# KiCad board EOutside.kicad_pcb (continued)
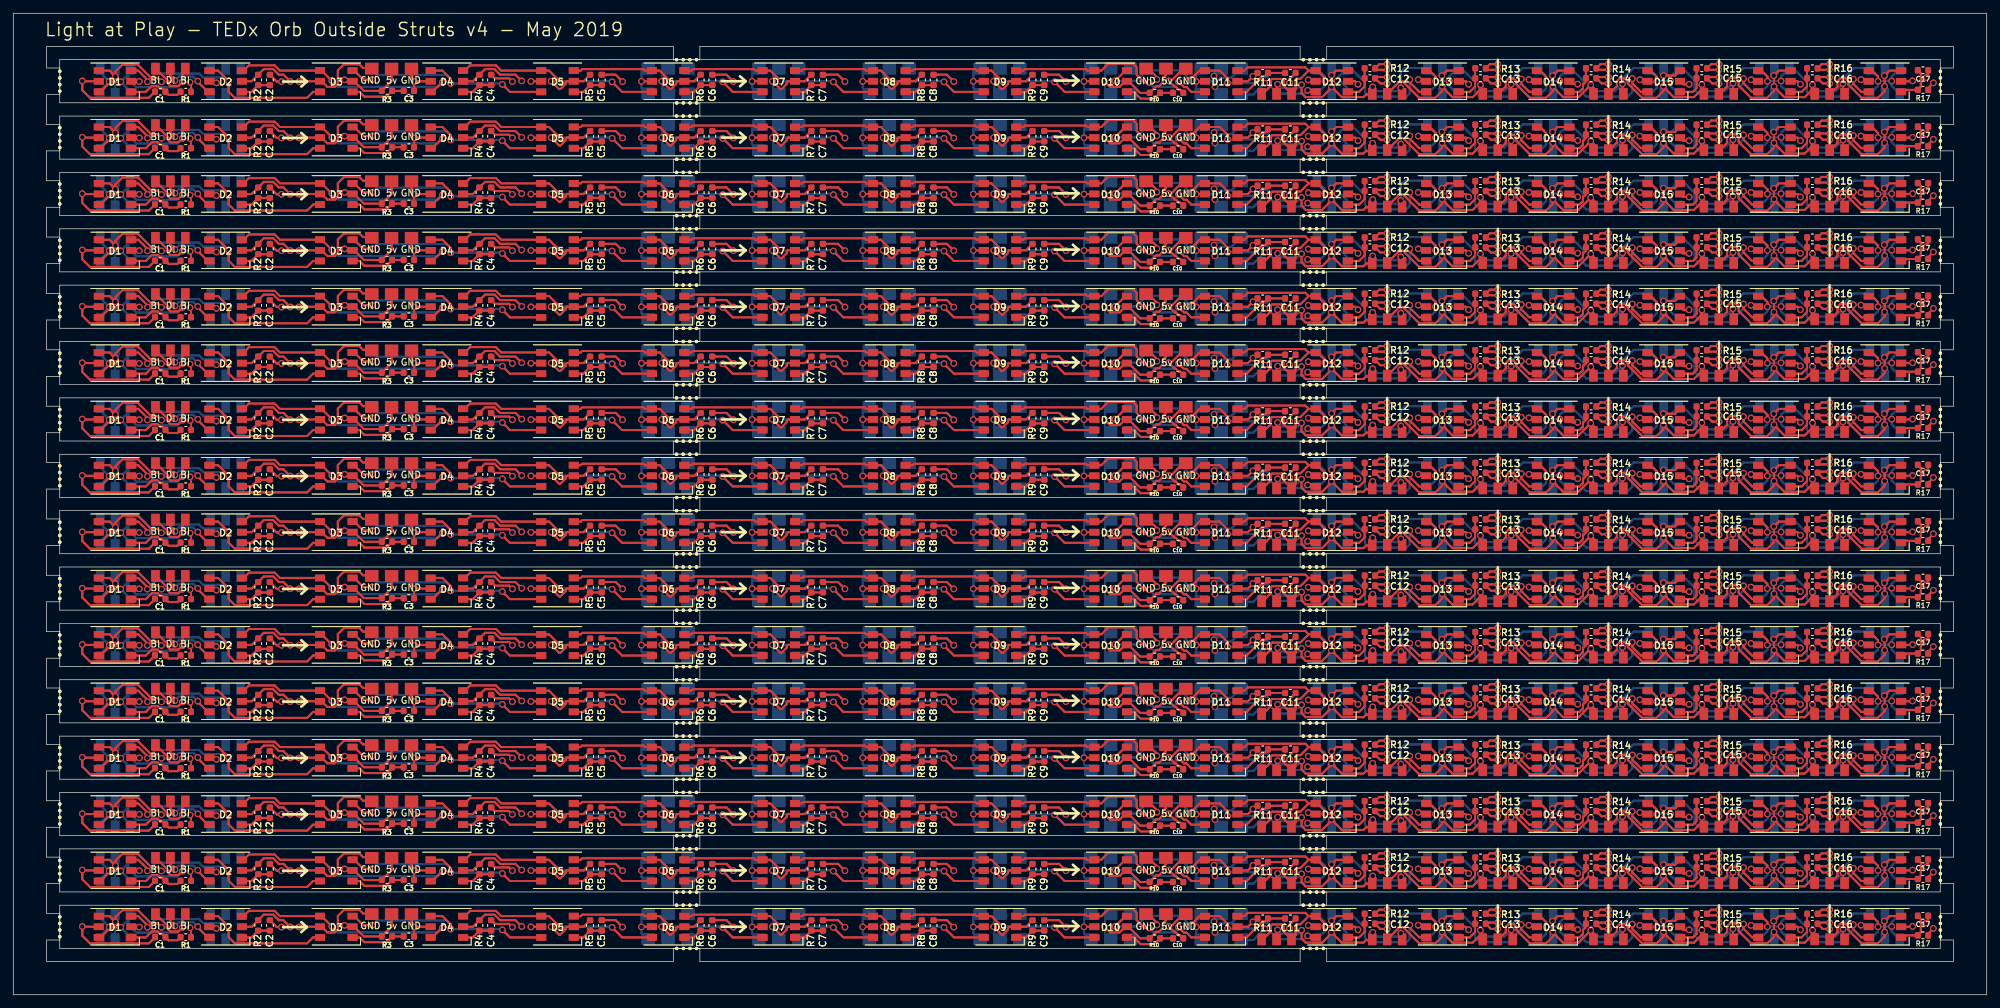
[diagram p0: board, top side]
## Nets (continued)
GND: C1.2 C1#2.2 C1#3.2 C1#4.2 C1#5.2 C1#6.2 C1#7.2 C1#8.2 C1#9.2 C1#10.2 C1#11.2 C1#12.2 C1#13.2 C1#14.2 C1#15.2 C1#16.2 C1#17.2 C1#18.2 C1#19.2 C1#20.2 C1#21.2 C1#22.2 C1#23.2 C1#24.2 C1#25.2 C1#26.2 C1#27.2 C1#28.2 C1#29.2 C1#30.2 C1#31.2 C1#32.2 C2.2 C2#2.2 C2#3.2 C2#4.2 C2#5.2 C2#6.2 C2#7.2 C2#8.2 C2#9.2 C2#10.2 C2#11.2 C2#12.2 C2#13.2 C2#14.2 C2#15.2 C2#16.2 C2#17.2 C2#18.2 C2#19.2 C2#20.2 C2#21.2 C2#22.2 C2#23.2 C2#24.2 C2#25.2 C2#26.2 C2#27.2 C2#28.2 C2#29.2 C2#30.2 C2#31.2 C2#32.2 C3.2 C3#2.2 C3#3.2 C3#4.2 C3#5.2 C3#6.2 C3#7.2 C3#8.2 C3#9.2 C3#10.2 C3#11.2 C3#12.2 C3#13.2 C3#14.2 C3#15.2 C3#16.2 C3#17.2 C3#18.2 C3#19.2 C3#20.2 C3#21.2 C3#22.2 C3#23.2 C3#24.2 C3#25.2 C3#26.2 C3#27.2 C3#28.2 C3#29.2 C3#30.2 C3#31.2 C3#32.2 C4.2 C4#2.2 C4#3.2 C4#4.2 C4#5.2 C4#6.2 C4#7.2 C4#8.2 C4#9.2 C4#10.2 C4#11.2 C4#12.2 C4#13.2 C4#14.2 C4#15.2 C4#16.2 C4#17.2 C4#18.2 C4#19.2 C4#20.2 C4#21.2 C4#22.2 C4#23.2 C4#24.2 C4#25.2 C4#26.2 C4#27.2 C4#28.2 C4#29.2 C4#30.2 C4#31.2 C4#32.2 C5.2 C5#2.2 C5#3.2 C5#4.2 C5#5.2 C5#6.2 C5#7.2 C5#8.2 C5#9.2 C5#10.2 C5#11.2 C5#12.2 C5#13.2 C5#14.2 C5#15.2 C5#16.2 C5#17.2 C5#18.2 C5#19.2 C5#20.2 C5#21.2 C5#22.2 C5#23.2 C5#24.2 C5#25.2 C5#26.2 C5#27.2 C5#28.2 C5#29.2 C5#30.2 C5#31.2 C5#32.2 C6.2 C6#2.2 C6#3.2 C6#4.2 C6#5.2 C6#6.2 C6#7.2 C6#8.2 C6#9.2 C6#10.2 C6#11.2 C6#12.2 C6#13.2 C6#14.2 C6#15.2 C6#16.2 C6#17.2 C6#18.2 C6#19.2 C6#20.2 C6#21.2 C6#22.2 C6#23.2 C6#24.2 C6#25.2 C6#26.2 C6#27.2 C6#28.2 C6#29.2 C6#30.2 C6#31.2 C6#32.2 C7.2 C7#2.2 C7#3.2 C7#4.2 C7#5.2 C7#6.2 C7#7.2 C7#8.2 C7#9.2 C7#10.2 C7#11.2 C7#12.2 C7#13.2 C7#14.2 C7#15.2 C7#16.2 C7#17.2 C7#18.2 C7#19.2 C7#20.2 C7#21.2 C7#22.2 C7#23.2 C7#24.2 C7#25.2 C7#26.2 C7#27.2 C7#28.2 C7#29.2 C7#30.2 C7#31.2 C7#32.2 C8.2 C8#2.2 C8#3.2 C8#4.2 C8#5.2 C8#6.2 C8#7.2 C8#8.2 C8#9.2 C8#10.2 C8#11.2 C8#12.2 C8#13.2 C8#14.2 C8#15.2 C8#16.2 C8#17.2 C8#18.2 C8#19.2 C8#20.2 C8#21.2 C8#22.2 C8#23.2 C8#24.2 C8#25.2 C8#26.2 C8#27.2 C8#28.2 C8#29.2 C8#30.2 C8#31.2 C8#32.2 C9.2 C9#2.2 C9#3.2 C9#4.2 C9#5.2 C9#6.2 C9#7.2 C9#8.2 C9#9.2 C9#10.2 C9#11.2 C9#12.2 C9#13.2 C9#14.2 C9#15.2 C9#16.2 C9#17.2 C9#18.2 C9#19.2 C9#20.2 C9#21.2 C9#22.2 C9#23.2 C9#24.2 C9#25.2 C9#26.2 C9#27.2 C9#28.2 C9#29.2 C9#30.2 C9#31.2 C9#32.2 C10.2 C10#2.2 C10#3.2 C10#4.2 C10#5.2 C10#6.2 C10#7.2 C10#8.2 C10#9.2 C10#10.2 C10#11.2 C10#12.2 C10#13.2 C10#14.2 C10#15.2 C10#16.2 C10#17.2 C10#18.2 C10#19.2 C10#20.2 C10#21.2 C10#22.2 C10#23.2 C10#24.2 C10#25.2 C10#26.2 C10#27.2 C10#28.2 C10#29.2 C10#30.2 C10#31.2 C10#32.2 C11.2 C11#2.2 C11#3.2 C11#4.2 C11#5.2 C11#6.2 C11#7.2 C11#8.2 C11#9.2 C11#10.2 C11#11.2 C11#12.2 C11#13.2 C11#14.2 C11#15.2 C11#16.2 C11#17.2 C11#18.2 C11#19.2 C11#20.2 C11#21.2 C11#22.2 C11#23.2 C11#24.2 C11#25.2 C11#26.2 C11#27.2 C11#28.2 C11#29.2 C11#30.2 C11#31.2 C11#32.2 C12.2 C12#2.2 C12#3.2 C12#4.2 C12#5.2 C12#6.2 C12#7.2 C12#8.2 C12#9.2 C12#10.2 C12#11.2 C12#12.2 C12#13.2 C12#14.2 C12#15.2 C12#16.2 C12#17.2 C12#18.2 C12#19.2 C12#20.2 C12#21.2 C12#22.2 C12#23.2 C12#24.2 C12#25.2 C12#26.2 C12#27.2 C12#28.2 C12#29.2 C12#30.2 C12#31.2 C12#32.2 C13.2 C13#2.2 C13#3.2 C13#4.2 C13#5.2 C13#6.2 C13#7.2 C13#8.2 C13#9.2 C13#10.2 C13#11.2 C13#12.2 C13#13.2 C13#14.2 C13#15.2 C13#16.2 C13#17.2 C13#18.2 C13#19.2 C13#20.2 C13#21.2 C13#22.2 C13#23.2 C13#24.2 C13#25.2 C13#26.2 C13#27.2 C13#28.2 C13#29.2 C13#30.2 C13#31.2 C13#32.2 C14.2 C14#2.2 C14#3.2 C14#4.2 C14#5.2 C14#6.2 C14#7.2 C14#8.2 C14#9.2 C14#10.2 C14#11.2 C14#12.2 C14#13.2 C14#14.2 C14#15.2 C14#16.2 C14#17.2 C14#18.2 C14#19.2 C14#20.2 C14#21.2 C14#22.2 C14#23.2 C14#24.2 C14#25.2 C14#26.2 C14#27.2 C14#28.2 C14#29.2 C14#30.2 C14#31.2 C14#32.2 C15.2 C15#2.2 C15#3.2 C15#4.2 C15#5.2 C15#6.2 C15#7.2 C15#8.2 C15#9.2 C15#10.2 C15#11.2 C15#12.2 C15#13.2 C15#14.2 C15#15.2 C15#16.2 C15#17.2 C15#18.2 C15#19.2 C15#20.2 C15#21.2 C15#22.2 C15#23.2 C15#24.2 C15#25.2 C15#26.2 C15#27.2 C15#28.2 C15#29.2 C15#30.2 C15#31.2 C15#32.2 C16.2 C16#2.2 C16#3.2 C16#4.2 C16#5.2 C16#6.2 C16#7.2 C16#8.2 C16#9.2 C16#10.2 C16#11.2 C16#12.2 C16#13.2 C16#14.2 C16#15.2 C16#16.2 C16#17.2 C16#18.2 C16#19.2 C16#20.2 C16#21.2 C16#22.2 C16#23.2 C16#24.2 C16#25.2 C16#26.2 C16#27.2 C16#28.2 C16#29.2 C16#30.2 C16#31.2 C16#32.2 C17.2 C17#2.2 C17#3.2 C17#4.2 C17#5.2 C17#6.2 C17#7.2 C17#8.2 C17#9.2 C17#10.2 C17#11.2 C17#12.2 C17#13.2 C17#14.2 C17#15.2 C17#16.2 C17#17.2 C17#18.2 C17#19.2 C17#20.2 C17#21.2 C17#22.2 C17#23.2 C17#24.2 C17#25.2 C17#26.2 C17#27.2 C17#28.2 C17#29.2 C17#30.2 C17#31.2 C17#32.2 D1.5 D1#2.5 D1#3.5 D1#4.5 D1#5.5 D1#6.5 D1#7.5 D1#8.5 D1#9.5 D1#10.5 D1#11.5 D1#12.5 D1#13.5 D1#14.5 D1#15.5 D1#16.5 D1#17.5 D1#18.5 D1#19.5 D1#20.5 D1#21.5 D1#22.5 D1#23.5 D1#24.5 D1#25.5 D1#26.5 D1#27.5 D1#28.5 D1#29.5 D1#30.5 D1#31.5 D1#32.5 D2.5 D2#2.5 D2#3.5 D2#4.5 D2#5.5 D2#6.5 D2#7.5 D2#8.5 D2#9.5 D2#10.5 D2#11.5 D2#12.5 D2#13.5 D2#14.5 D2#15.5 D2#16.5 D2#17.5 D2#18.5 D2#19.5 D2#20.5 D2#21.5 D2#22.5 D2#23.5 D2#24.5 D2#25.5 D2#26.5 D2#27.5 D2#28.5 D2#29.5 D2#30.5 D2#31.5 D2#32.5 D3.5 D3#2.5 D3#3.5 D3#4.5 D3#5.5 D3#6.5 D3#7.5 D3#8.5 D3#9.5 D3#10.5 D3#11.5 D3#12.5 D3#13.5 D3#14.5 D3#15.5 D3#16.5 D3#17.5 D3#18.5 D3#19.5 D3#20.5 D3#21.5 D3#22.5 D3#23.5 D3#24.5 D3#25.5 D3#26.5 D3#27.5 D3#28.5 D3#29.5 D3#30.5 D3#31.5 D3#32.5 D4.5 D4#2.5 D4#3.5 D4#4.5 D4#5.5 D4#6.5 D4#7.5 D4#8.5 D4#9.5 D4#10.5 D4#11.5 D4#12.5 D4#13.5 D4#14.5 D4#15.5 D4#16.5 D4#17.5 D4#18.5 D4#19.5 D4#20.5 D4#21.5 D4#22.5 D4#23.5 D4#24.5 D4#25.5 D4#26.5 D4#27.5 D4#28.5 D4#29.5 D4#30.5 D4#31.5 D4#32.5 D5.5 D5#2.5 D5#3.5 D5#4.5 D5#5.5 D5#6.5 D5#7.5 D5#8.5 D5#9.5 D5#10.5 D5#11.5 D5#12.5 D5#13.5 D5#14.5 D5#15.5 D5#16.5 D5#17.5 D5#18.5 D5#19.5 D5#20.5 D5#21.5 D5#22.5 D5#23.5 D5#24.5 D5#25.5 D5#26.5 D5#27.5 D5#28.5 D5#29.5 D5#30.5 D5#31.5 D5#32.5 D6.5 D6#2.5 D6#3.5 D6#4.5 D6#5.5 D6#6.5 D6#7.5 D6#8.5 D6#9.5 D6#10.5 D6#11.5 D6#12.5 D6#13.5 D6#14.5 D6#15.5 D6#16.5 D6#17.5 D6#18.5 D6#19.5 D6#20.5 D6#21.5 D6#22.5 D6#23.5 D6#24.5 D6#25.5 D6#26.5 D6#27.5 D6#28.5 D6#29.5 D6#30.5 D6#31.5 D6#32.5 D7.5 D7#2.5 D7#3.5 D7#4.5 D7#5.5 D7#6.5 D7#7.5 D7#8.5 D7#9.5 D7#10.5 D7#11.5 D7#12.5 D7#13.5 D7#14.5 D7#15.5 D7#16.5 D7#17.5 D7#18.5 D7#19.5 D7#20.5 D7#21.5 D7#22.5 D7#23.5 D7#24.5 D7#25.5 D7#26.5 D7#27.5 D7#28.5 D7#29.5 D7#30.5 D7#31.5 D7#32.5 D8.5 D8#2.5 D8#3.5 D8#4.5 D8#5.5 D8#6.5 D8#7.5 D8#8.5 D8#9.5 D8#10.5 D8#11.5 D8#12.5 D8#13.5 D8#14.5 D8#15.5 D8#16.5 D8#17.5 D8#18.5 D8#19.5 D8#20.5 D8#21.5 D8#22.5 D8#23.5 D8#24.5 D8#25.5 D8#26.5 D8#27.5 D8#28.5 D8#29.5 D8#30.5 D8#31.5 D8#32.5 D9.5 D9#2.5 D9#3.5 D9#4.5 D9#5.5 D9#6.5 D9#7.5 D9#8.5 D9#9.5 D9#10.5 D9#11.5 D9#12.5 D9#13.5 D9#14.5 D9#15.5 D9#16.5 D9#17.5 D9#18.5 D9#19.5 D9#20.5 D9#21.5 D9#22.5 D9#23.5 D9#24.5 D9#25.5 D9#26.5 D9#27.5 D9#28.5 D9#29.5 D9#30.5 D9#31.5 D9#32.5 D10.5 D10#2.5 D10#3.5 D10#4.5 D10#5.5 D10#6.5 D10#7.5 D10#8.5 D10#9.5 D10#10.5 D10#11.5 D10#12.5 D10#13.5 D10#14.5 D10#15.5 D10#16.5 D10#17.5 D10#18.5 D10#19.5 D10#20.5 D10#21.5 D10#22.5 D10#23.5 D10#24.5 D10#25.5 D10#26.5 D10#27.5 D10#28.5 D10#29.5 D10#30.5 D10#31.5 D10#32.5 D11.5 D11#2.5 D11#3.5 D11#4.5 D11#5.5 D11#6.5 D11#7.5 D11#8.5 D11#9.5 D11#10.5 D11#11.5 D11#12.5 D11#13.5 D11#14.5 D11#15.5 D11#16.5 D11#17.5 D11#18.5 D11#19.5 D11#20.5 D11#21.5 D11#22.5 D11#23.5 D11#24.5 D11#25.5 D11#26.5 D11#27.5 D11#28.5 D11#29.5 D11#30.5 D11#31.5 D11#32.5 D12.5 D12#2.5 D12#3.5 D12#4.5 D12#5.5 D12#6.5 D12#7.5 D12#8.5 D12#9.5 D12#10.5 D12#11.5 D12#12.5 D12#13.5 D12#14.5 D12#15.5 D12#16.5 D12#17.5 D12#18.5 D12#19.5 D12#20.5 D12#21.5 D12#22.5 D12#23.5 D12#24.5 D12#25.5 D12#26.5 D12#27.5 D12#28.5 D12#29.5 D12#30.5 D12#31.5 D12#32.5 D13.5 D13#2.5 D13#3.5 D13#4.5 D13#5.5 D13#6.5 D13#7.5 D13#8.5 D13#9.5 D13#10.5 D13#11.5 D13#12.5 D13#13.5 D13#14.5 D13#15.5 D13#16.5 D13#17.5 D13#18.5 D13#19.5 D13#20.5 D13#21.5 D13#22.5 D13#23.5 D13#24.5 D13#25.5 D13#26.5 D13#27.5 D13#28.5 D13#29.5 D13#30.5 D13#31.5 D13#32.5 D14.5 D14#2.5 D14#3.5 D14#4.5 D14#5.5 D14#6.5 D14#7.5 D14#8.5 D14#9.5 D14#10.5 D14#11.5 D14#12.5 D14#13.5 D14#14.5 D14#15.5 D14#16.5 D14#17.5 D14#18.5 D14#19.5 D14#20.5 D14#21.5 D14#22.5 D14#23.5 D14#24.5 D14#25.5 D14#26.5 D14#27.5 D14#28.5 D14#29.5 D14#30.5 D14#31.5 D14#32.5 D15.5 D15#2.5 D15#3.5 D15#4.5 D15#5.5 D15#6.5 D15#7.5 D15#8.5 D15#9.5 D15#10.5 D15#11.5 D15#12.5 D15#13.5 D15#14.5 D15#15.5 D15#16.5 D15#17.5 D15#18.5 D15#19.5 D15#20.5 D15#21.5 D15#22.5 D15#23.5 D15#24.5 D15#25.5 D15#26.5 D15#27.5 D15#28.5 D15#29.5 D15#30.5 D15#31.5 D15#32.5 D16.5 D16#2.5 D16#3.5 D16#4.5 D16#5.5 D16#6.5 D16#7.5 D16#8.5 D16#9.5 D16#10.5 D16#11.5 D16#12.5 D16#13.5 D16#14.5 D16#15.5 D16#16.5 D16#17.5 D16#18.5 D16#19.5 D16#20.5 D16#21.5 D16#22.5 D16#23.5 D16#24.5 D16#25.5 D16#26.5 D16#27.5 D16#28.5 D16#29.5 D16#30.5 D16#31.5 D16#32.5 D17.5 D17#2.5 D17#3.5 D17#4.5 D17#5.5 D17#6.5 D17#7.5 D17#8.5 D17#9.5 D17#10.5 D17#11.5 D17#12.5 D17#13.5 D17#14.5 D17#15.5 D17#16.5 D17#17.5 D17#18.5 D17#19.5 D17#20.5 D17#21.5 D17#22.5 D17#23.5 D17#24.5 D17#25.5 D17#26.5 D17#27.5 D17#28.5 D17#29.5 D17#30.5 D17#31.5 D17#32.5 J6.2 J6#2.2 J6#3.2 J6#4.2 J6#5.2 J6#6.2 J6#7.2 J6#8.2 J6#9.2 J6#10.2 J6#11.2 J6#12.2 J6#13.2 J6#14.2 J6#15.2 J6#16.2 J6#17.2 J6#18.2 J6#19.2 J6#20.2 J6#21.2 J6#22.2 J6#23.2 J6#24.2 J6#25.2 J6#26.2 J6#27.2 J6#28.2 J6#29.2 J6#30.2 J6#31.2 J6#32.2 J6#33.2 J6#34.2 J6#35.2 J6#36.2 J6#37.2 J6#38.2 J6#39.2 J6#40.2 J6#41.2 J6#42.2 J6#43.2 J6#44.2 J6#45.2 J6#46.2 J6#47.2 J6#48.2 J6#49.2 J6#50.2 J6#51.2 J6#52.2 J6#53.2 J6#54.2 J6#55.2 J6#56.2 J6#57.2 J6#58.2 J6#59.2 J6#60.2 J6#61.2 J6#62.2 J6#63.2 J6#64.2 J6#65.2 J6#66.2 J6#67.2 J6#68.2 J6#69.2 J6#70.2 J6#71.2 J6#72.2 J6#73.2 J6#74.2 J6#75.2 J6#76.2 J6#77.2 J6#78.2 J6#79.2 J6#80.2 J6#81.2 J6#82.2 J6#83.2 J6#84.2 J6#85.2 J6#86.2 J6#87.2 J6#88.2 J6#89.2 J6#90.2 J6#91.2 J6#92.2 J6#93.2 J6#94.2 J6#95.2 J6#96.2 J6#97.2 J6#98.2 J6#99.2 J6#100.2 J6#101.2 J6#102.2 J6#103.2 J6#104.2 J6#105.2 J6#106.2 J6#107.2 J6#108.2 J6#109.2 J6#110.2 J6#111.2 J6#112.2 J6#113.2 J6#114.2 J6#115.2 J6#116.2 J6#117.2 J6#118.2 J6#119.2 J6#120.2 J6#121.2 J6#122.2 J6#123.2 J6#124.2 J6#125.2 J6#126.2 J6#127.2 J6#128.2 J6#129.2 J6#130.2 J6#131.2 J6#132.2 J6#133.2 J6#134.2 J6#135.2 J6#136.2 J6#137.2 J6#138.2 J6#139.2 J6#140.2 J6#141.2 J6#142.2 J6#143.2 J6#144.2 J6#145.2 J6#146.2 J6#147.2 J6#148.2 J6#149.2 J6#150.2 J6#151.2 J6#152.2 J6#153.2 J6#154.2 J6#155.2 J6#156.2 J6#157.2 J6#158.2 J6#159.2 J6#160.2 J6#161.2 J6#162.2 J6#163.2 J6#164.2 J6#165.2 J6#166.2 J6#167.2 J6#168.2 J6#169.2 J6#170.2 J6#171.2 J6#172.2 J6#173.2 J6#174.2 J6#175.2 J6#176.2 J6#177.2 J6#178.2 J6#179.2 J6#180.2 J6#181.2 J6#182.2 J6#183.2 J6#184.2 J6#185.2 J6#186.2 J6#187.2 J6#188.2 J6#189.2 J6#190.2 J6#191.2 J6#192.2 J6#193.2 J6#194.2 J6#195.2 J6#196.2 J6#197.2 J6#198.2 J6#199.2 J6#200.2 J6#201.2 J6#202.2 J6#203.2 J6#204.2 J6#205.2 J6#206.2 J6#207.2 J6#208.2 J6#209.2 J6#210.2 J6#211.2 J6#212.2 J6#213.2 J6#214.2 J6#215.2 J6#216.2 J6#217.2 J6#218.2 J6#219.2 J6#220.2 J6#221.2 J6#222.2 J6#223.2 J6#224.2 J6#225.2 J6#226.2 J6#227.2 J6#228.2 J6#229.2 J6#230.2 J6#231.2 J6#232.2 J6#233.2 J6#234.2 J6#235.2 J6#236.2 J6#237.2 J6#238.2 J6#239.2 J6#240.2 J6#241.2 J6#242.2 J6#243.2 J6#244.2 J6#245.2 J6#246.2 J6#247.2 J6#248.2 J6#249.2 J6#250.2 J6#251.2 J6#252.2 J6#253.2 J6#254.2 J6#255.2 J6#256.2 J6#257.2 J6#258.2 J6#259.2 J6#260.2 J6#261.2 J6#262.2 J6#263.2 J6#264.2 J6#265.2 J6#266.2 J6#267.2 J6#268.2 J6#269.2 J6#270.2 J6#271.2 J6#272.2 J6#273.2 J6#274.2 J6#275.2 J6#276.2 J6#277.2 J6#278.2 J6#279.2 J6#280.2 J6#281.2 J6#282.2 J6#283.2 J6#284.2 J6#285.2 J6#286.2 J6#287.2 J6#288.2 J6#289.2 J6#290.2 J6#291.2 J6#292.2 J6#293.2 J6#294.2 J6#295.2 J6#296.2 J6#297.2 J6#298.2 J6#299.2 J6#300.2 J6#301.2 J6#302.2 J6#303.2 J6#304.2 J6#305.2 J6#306.2 J6#307.2 J6#308.2 J6#309.2 J6#310.2 J6#311.2 J6#312.2 J6#313.2 J6#314.2 J6#315.2 J6#316.2 J6#317.2 J6#318.2 J6#319.2 J6#320.2 J6#321.2 J6#322.2 J6#323.2 J6#324.2 J6#325.2 J6#326.2 J6#327.2 J6#328.2 J6#329.2 J6#330.2 J6#331.2 J6#332.2 J6#333.2 J6#334.2 J6#335.2 J6#336.2 J6#337.2 J6#338.2 J6#339.2 J6#340.2 J6#341.2 J6#342.2 J6#343.2 J6#344.2 J6#345.2 J6#346.2 J6#347.2 J6#348.2 J6#349.2 J6#350.2 J6#351.2 J6#352.2 J6#353.2 J6#354.2 J6#355.2 J6#356.2 J6#357.2 J6#358.2 J6#359.2 J6#360.2 J6#361.2 J6#362.2 J6#363.2 J6#364.2 J6#365.2 J6#366.2 J6#367.2 J6#368.2 J6#369.2 J6#370.2 J6#371.2 J6#372.2 J6#373.2 J6#374.2 J6#375.2 J6#376.2 J6#377.2 J6#378.2 J6#379.2 J6#380.2 J6#381.2 J6#382.2 J6#383.2 J6#384.2 J6#385.2 J6#386.2 J6#387.2 J6#388.2 J6#389.2 J6#390.2 J6#391.2 J6#392.2 J6#393.2 J6#394.2 J6#395.2 J6#396.2 J6#397.2 J6#398.2 J6#399.2 J6#400.2 J6#401.2 J6#402.2 J6#403.2 J6#404.2 J6#405.2 J6#406.2 J6#407.2 J6#408.2 J6#409.2 J6#410.2 J6#411.2 J6#412.2 J6#413.2 J6#414.2 J6#415.2 J6#416.2 J6#417.2 J6#418.2 J6#419.2 J6#420.2 J6#421.2 J6#422.2 J6#423.2 J6#424.2 J6#425.2 J6#426.2 J6#427.2 J6#428.2 J6#429.2 J6#430.2 J6#431.2 J6#432.2 J6#433.2 J6#434.2 J6#435.2 J6#436.2 J6#437.2 J6#438.2 J6#439.2 J6#440.2 J6#441.2 J6#442.2 J6#443.2 J6#444.2 J6#445.2 J6#446.2 J6#447.2 J6#448.2
Net-(C1-Pad1): C1.1 C1#2.1 C1#3.1 C1#4.1 C1#5.1 C1#6.1 C1#7.1 C1#8.1 C1#9.1 C1#10.1 C1#11.1 C1#12.1 C1#13.1 C1#14.1 C1#15.1 C1#16.1 C1#17.1 C1#18.1 C1#19.1 C1#20.1 C1#21.1 C1#22.1 C1#23.1 C1#24.1 C1#25.1 C1#26.1 C1#27.1 C1#28.1 C1#29.1 C1#30.1 C1#31.1 C1#32.1 D1.1 D1#2.1 D1#3.1 D1#4.1 D1#5.1 D1#6.1 D1#7.1 D1#8.1 D1#9.1 D1#10.1 D1#11.1 D1#12.1 D1#13.1 D1#14.1 D1#15.1 D1#16.1 D1#17.1 D1#18.1 D1#19.1 D1#20.1 D1#21.1 D1#22.1 D1#23.1 D1#24.1 D1#25.1 D1#26.1 D1#27.1 D1#28.1 D1#29.1 D1#30.1 D1#31.1 D1#32.1 R1.2 R1#2.2 R1#3.2 R1#4.2 R1#5.2 R1#6.2 R1#7.2 R1#8.2 R1#9.2 R1#10.2 R1#11.2 R1#12.2 R1#13.2 R1#14.2 R1#15.2 R1#16.2 R1#17.2 R1#18.2 R1#19.2 R1#20.2 R1#21.2 R1#22.2 R1#23.2 R1#24.2 R1#25.2 R1#26.2 R1#27.2 R1#28.2 R1#29.2 R1#30.2 R1#31.2 R1#32.2
Net-(C2-Pad1): C2.1 C2#2.1 C2#3.1 C2#4.1 C2#5.1 C2#6.1 C2#7.1 C2#8.1 C2#9.1 C2#10.1 C2#11.1 C2#12.1 C2#13.1 C2#14.1 C2#15.1 C2#16.1 C2#17.1 C2#18.1 C2#19.1 C2#20.1 C2#21.1 C2#22.1 C2#23.1 C2#24.1 C2#25.1 C2#26.1 C2#27.1 C2#28.1 C2#29.1 C2#30.1 C2#31.1 C2#32.1 D2.1 D2#2.1 D2#3.1 D2#4.1 D2#5.1 D2#6.1 D2#7.1 D2#8.1 D2#9.1 D2#10.1 D2#11.1 D2#12.1 D2#13.1 D2#14.1 D2#15.1 D2#16.1 D2#17.1 D2#18.1 D2#19.1 D2#20.1 D2#21.1 D2#22.1 D2#23.1 D2#24.1 D2#25.1 D2#26.1 D2#27.1 D2#28.1 D2#29.1 D2#30.1 D2#31.1 D2#32.1 R2.2 R2#2.2 R2#3.2 R2#4.2 R2#5.2 R2#6.2 R2#7.2 R2#8.2 R2#9.2 R2#10.2 R2#11.2 R2#12.2 R2#13.2 R2#14.2 R2#15.2 R2#16.2 R2#17.2 R2#18.2 R2#19.2 R2#20.2 R2#21.2 R2#22.2 R2#23.2 R2#24.2 R2#25.2 R2#26.2 R2#27.2 R2#28.2 R2#29.2 R2#30.2 R2#31.2 R2#32.2
Net-(C3-Pad1): C3.1 C3#2.1 C3#3.1 C3#4.1 C3#5.1 C3#6.1 C3#7.1 C3#8.1 C3#9.1 C3#10.1 C3#11.1 C3#12.1 C3#13.1 C3#14.1 C3#15.1 C3#16.1 C3#17.1 C3#18.1 C3#19.1 C3#20.1 C3#21.1 C3#22.1 C3#23.1 C3#24.1 C3#25.1 C3#26.1 C3#27.1 C3#28.1 C3#29.1 C3#30.1 C3#31.1 C3#32.1 D3.1 D3#2.1 D3#3.1 D3#4.1 D3#5.1 D3#6.1 D3#7.1 D3#8.1 D3#9.1 D3#10.1 D3#11.1 D3#12.1 D3#13.1 D3#14.1 D3#15.1 D3#16.1 D3#17.1 D3#18.1 D3#19.1 D3#20.1 D3#21.1 D3#22.1 D3#23.1 D3#24.1 D3#25.1 D3#26.1 D3#27.1 D3#28.1 D3#29.1 D3#30.1 D3#31.1 D3#32.1 R3.2 R3#2.2 R3#3.2 R3#4.2 R3#5.2 R3#6.2 R3#7.2 R3#8.2 R3#9.2 R3#10.2 R3#11.2 R3#12.2 R3#13.2 R3#14.2 R3#15.2 R3#16.2 R3#17.2 R3#18.2 R3#19.2 R3#20.2 R3#21.2 R3#22.2 R3#23.2 R3#24.2 R3#25.2 R3#26.2 R3#27.2 R3#28.2 R3#29.2 R3#30.2 R3#31.2 R3#32.2
Net-(C4-Pad1): C4.1 C4#2.1 C4#3.1 C4#4.1 C4#5.1 C4#6.1 C4#7.1 C4#8.1 C4#9.1 C4#10.1 C4#11.1 C4#12.1 C4#13.1 C4#14.1 C4#15.1 C4#16.1 C4#17.1 C4#18.1 C4#19.1 C4#20.1 C4#21.1 C4#22.1 C4#23.1 C4#24.1 C4#25.1 C4#26.1 C4#27.1 C4#28.1 C4#29.1 C4#30.1 C4#31.1 C4#32.1 D4.1 D4#2.1 D4#3.1 D4#4.1 D4#5.1 D4#6.1 D4#7.1 D4#8.1 D4#9.1 D4#10.1 D4#11.1 D4#12.1 D4#13.1 D4#14.1 D4#15.1 D4#16.1 D4#17.1 D4#18.1 D4#19.1 D4#20.1 D4#21.1 D4#22.1 D4#23.1 D4#24.1 D4#25.1 D4#26.1 D4#27.1 D4#28.1 D4#29.1 D4#30.1 D4#31.1 D4#32.1 R4.2 R4#2.2 R4#3.2 R4#4.2 R4#5.2 R4#6.2 R4#7.2 R4#8.2 R4#9.2 R4#10.2 R4#11.2 R4#12.2 R4#13.2 R4#14.2 R4#15.2 R4#16.2 R4#17.2 R4#18.2 R4#19.2 R4#20.2 R4#21.2 R4#22.2 R4#23.2 R4#24.2 R4#25.2 R4#26.2 R4#27.2 R4#28.2 R4#29.2 R4#30.2 R4#31.2 R4#32.2
Net-(C5-Pad1): C5.1 C5#2.1 C5#3.1 C5#4.1 C5#5.1 C5#6.1 C5#7.1 C5#8.1 C5#9.1 C5#10.1 C5#11.1 C5#12.1 C5#13.1 C5#14.1 C5#15.1 C5#16.1 C5#17.1 C5#18.1 C5#19.1 C5#20.1 C5#21.1 C5#22.1 C5#23.1 C5#24.1 C5#25.1 C5#26.1 C5#27.1 C5#28.1 C5#29.1 C5#30.1 C5#31.1 C5#32.1 D5.1 D5#2.1 D5#3.1 D5#4.1 D5#5.1 D5#6.1 D5#7.1 D5#8.1 D5#9.1 D5#10.1 D5#11.1 D5#12.1 D5#13.1 D5#14.1 D5#15.1 D5#16.1 D5#17.1 D5#18.1 D5#19.1 D5#20.1 D5#21.1 D5#22.1 D5#23.1 D5#24.1 D5#25.1 D5#26.1 D5#27.1 D5#28.1 D5#29.1 D5#30.1 D5#31.1 D5#32.1 R5.2 R5#2.2 R5#3.2 R5#4.2 R5#5.2 R5#6.2 R5#7.2 R5#8.2 R5#9.2 R5#10.2 R5#11.2 R5#12.2 R5#13.2 R5#14.2 R5#15.2 R5#16.2 R5#17.2 R5#18.2 R5#19.2 R5#20.2 R5#21.2 R5#22.2 R5#23.2 R5#24.2 R5#25.2 R5#26.2 R5#27.2 R5#28.2 R5#29.2 R5#30.2 R5#31.2 R5#32.2
Net-(C6-Pad1): C6.1 C6#2.1 C6#3.1 C6#4.1 C6#5.1 C6#6.1 C6#7.1 C6#8.1 C6#9.1 C6#10.1 C6#11.1 C6#12.1 C6#13.1 C6#14.1 C6#15.1 C6#16.1 C6#17.1 C6#18.1 C6#19.1 C6#20.1 C6#21.1 C6#22.1 C6#23.1 C6#24.1 C6#25.1 C6#26.1 C6#27.1 C6#28.1 C6#29.1 C6#30.1 C6#31.1 C6#32.1 D6.1 D6#2.1 D6#3.1 D6#4.1 D6#5.1 D6#6.1 D6#7.1 D6#8.1 D6#9.1 D6#10.1 D6#11.1 D6#12.1 D6#13.1 D6#14.1 D6#15.1 D6#16.1 D6#17.1 D6#18.1 D6#19.1 D6#20.1 D6#21.1 D6#22.1 D6#23.1 D6#24.1 D6#25.1 D6#26.1 D6#27.1 D6#28.1 D6#29.1 D6#30.1 D6#31.1 D6#32.1 R6.2 R6#2.2 R6#3.2 R6#4.2 R6#5.2 R6#6.2 R6#7.2 R6#8.2 R6#9.2 R6#10.2 R6#11.2 R6#12.2 R6#13.2 R6#14.2 R6#15.2 R6#16.2 R6#17.2 R6#18.2 R6#19.2 R6#20.2 R6#21.2 R6#22.2 R6#23.2 R6#24.2 R6#25.2 R6#26.2 R6#27.2 R6#28.2 R6#29.2 R6#30.2 R6#31.2 R6#32.2
Net-(C7-Pad1): C7.1 C7#2.1 C7#3.1 C7#4.1 C7#5.1 C7#6.1 C7#7.1 C7#8.1 C7#9.1 C7#10.1 C7#11.1 C7#12.1 C7#13.1 C7#14.1 C7#15.1 C7#16.1 C7#17.1 C7#18.1 C7#19.1 C7#20.1 C7#21.1 C7#22.1 C7#23.1 C7#24.1 C7#25.1 C7#26.1 C7#27.1 C7#28.1 C7#29.1 C7#30.1 C7#31.1 C7#32.1 D7.1 D7#2.1 D7#3.1 D7#4.1 D7#5.1 D7#6.1 D7#7.1 D7#8.1 D7#9.1 D7#10.1 D7#11.1 D7#12.1 D7#13.1 D7#14.1 D7#15.1 D7#16.1 D7#17.1 D7#18.1 D7#19.1 D7#20.1 D7#21.1 D7#22.1 D7#23.1 D7#24.1 D7#25.1 D7#26.1 D7#27.1 D7#28.1 D7#29.1 D7#30.1 D7#31.1 D7#32.1 R7.2 R7#2.2 R7#3.2 R7#4.2 R7#5.2 R7#6.2 R7#7.2 R7#8.2 R7#9.2 R7#10.2 R7#11.2 R7#12.2 R7#13.2 R7#14.2 R7#15.2 R7#16.2 R7#17.2 R7#18.2 R7#19.2 R7#20.2 R7#21.2 R7#22.2 R7#23.2 R7#24.2 R7#25.2 R7#26.2 R7#27.2 R7#28.2 R7#29.2 R7#30.2 R7#31.2 R7#32.2
Net-(C8-Pad1): C8.1 C8#2.1 C8#3.1 C8#4.1 C8#5.1 C8#6.1 C8#7.1 C8#8.1 C8#9.1 C8#10.1 C8#11.1 C8#12.1 C8#13.1 C8#14.1 C8#15.1 C8#16.1 C8#17.1 C8#18.1 C8#19.1 C8#20.1 C8#21.1 C8#22.1 C8#23.1 C8#24.1 C8#25.1 C8#26.1 C8#27.1 C8#28.1 C8#29.1 C8#30.1 C8#31.1 C8#32.1 D8.1 D8#2.1 D8#3.1 D8#4.1 D8#5.1 D8#6.1 D8#7.1 D8#8.1 D8#9.1 D8#10.1 D8#11.1 D8#12.1 D8#13.1 D8#14.1 D8#15.1 D8#16.1 D8#17.1 D8#18.1 D8#19.1 D8#20.1 D8#21.1 D8#22.1 D8#23.1 D8#24.1 D8#25.1 D8#26.1 D8#27.1 D8#28.1 D8#29.1 D8#30.1 D8#31.1 D8#32.1 R8.2 R8#2.2 R8#3.2 R8#4.2 R8#5.2 R8#6.2 R8#7.2 R8#8.2 R8#9.2 R8#10.2 R8#11.2 R8#12.2 R8#13.2 R8#14.2 R8#15.2 R8#16.2 R8#17.2 R8#18.2 R8#19.2 R8#20.2 R8#21.2 R8#22.2 R8#23.2 R8#24.2 R8#25.2 R8#26.2 R8#27.2 R8#28.2 R8#29.2 R8#30.2 R8#31.2 R8#32.2
Net-(C9-Pad1): C9.1 C9#2.1 C9#3.1 C9#4.1 C9#5.1 C9#6.1 C9#7.1 C9#8.1 C9#9.1 C9#10.1 C9#11.1 C9#12.1 C9#13.1 C9#14.1 C9#15.1 C9#16.1 C9#17.1 C9#18.1 C9#19.1 C9#20.1 C9#21.1 C9#22.1 C9#23.1 C9#24.1 C9#25.1 C9#26.1 C9#27.1 C9#28.1 C9#29.1 C9#30.1 C9#31.1 C9#32.1 D9.1 D9#2.1 D9#3.1 D9#4.1 D9#5.1 D9#6.1 D9#7.1 D9#8.1 D9#9.1 D9#10.1 D9#11.1 D9#12.1 D9#13.1 D9#14.1 D9#15.1 D9#16.1 D9#17.1 D9#18.1 D9#19.1 D9#20.1 D9#21.1 D9#22.1 D9#23.1 D9#24.1 D9#25.1 D9#26.1 D9#27.1 D9#28.1 D9#29.1 D9#30.1 D9#31.1 D9#32.1 R9.2 R9#2.2 R9#3.2 R9#4.2 R9#5.2 R9#6.2 R9#7.2 R9#8.2 R9#9.2 R9#10.2 R9#11.2 R9#12.2 R9#13.2 R9#14.2 R9#15.2 R9#16.2 R9#17.2 R9#18.2 R9#19.2 R9#20.2 R9#21.2 R9#22.2 R9#23.2 R9#24.2 R9#25.2 R9#26.2 R9#27.2 R9#28.2 R9#29.2 R9#30.2 R9#31.2 R9#32.2
Net-(C10-Pad1): C10.1 C10#2.1 C10#3.1 C10#4.1 C10#5.1 C10#6.1 C10#7.1 C10#8.1 C10#9.1 C10#10.1 C10#11.1 C10#12.1 C10#13.1 C10#14.1 C10#15.1 C10#16.1 C10#17.1 C10#18.1 C10#19.1 C10#20.1 C10#21.1 C10#22.1 C10#23.1 C10#24.1 C10#25.1 C10#26.1 C10#27.1 C10#28.1 C10#29.1 C10#30.1 C10#31.1 C10#32.1 D10.1 D10#2.1 D10#3.1 D10#4.1 D10#5.1 D10#6.1 D10#7.1 D10#8.1 D10#9.1 D10#10.1 D10#11.1 D10#12.1 D10#13.1 D10#14.1 D10#15.1 D10#16.1 D10#17.1 D10#18.1 D10#19.1 D10#20.1 D10#21.1 D10#22.1 D10#23.1 D10#24.1 D10#25.1 D10#26.1 D10#27.1 D10#28.1 D10#29.1 D10#30.1 D10#31.1 D10#32.1 R10.2 R10#2.2 R10#3.2 R10#4.2 R10#5.2 R10#6.2 R10#7.2 R10#8.2 R10#9.2 R10#10.2 R10#11.2 R10#12.2 R10#13.2 R10#14.2 R10#15.2 R10#16.2 R10#17.2 R10#18.2 R10#19.2 R10#20.2 R10#21.2 R10#22.2 R10#23.2 R10#24.2 R10#25.2 R10#26.2 R10#27.2 R10#28.2 R10#29.2 R10#30.2 R10#31.2 R10#32.2
Net-(C11-Pad1): C11.1 C11#2.1 C11#3.1 C11#4.1 C11#5.1 C11#6.1 C11#7.1 C11#8.1 C11#9.1 C11#10.1 C11#11.1 C11#12.1 C11#13.1 C11#14.1 C11#15.1 C11#16.1 C11#17.1 C11#18.1 C11#19.1 C11#20.1 C11#21.1 C11#22.1 C11#23.1 C11#24.1 C11#25.1 C11#26.1 C11#27.1 C11#28.1 C11#29.1 C11#30.1 C11#31.1 C11#32.1 D11.1 D11#2.1 D11#3.1 D11#4.1 D11#5.1 D11#6.1 D11#7.1 D11#8.1 D11#9.1 D11#10.1 D11#11.1 D11#12.1 D11#13.1 D11#14.1 D11#15.1 D11#16.1 D11#17.1 D11#18.1 D11#19.1 D11#20.1 D11#21.1 D11#22.1 D11#23.1 D11#24.1 D11#25.1 D11#26.1 D11#27.1 D11#28.1 D11#29.1 D11#30.1 D11#31.1 D11#32.1 R11.2 R11#2.2 R11#3.2 R11#4.2 R11#5.2 R11#6.2 R11#7.2 R11#8.2 R11#9.2 R11#10.2 R11#11.2 R11#12.2 R11#13.2 R11#14.2 R11#15.2 R11#16.2 R11#17.2 R11#18.2 R11#19.2 R11#20.2 R11#21.2 R11#22.2 R11#23.2 R11#24.2 R11#25.2 R11#26.2 R11#27.2 R11#28.2 R11#29.2 R11#30.2 R11#31.2 R11#32.2
Net-(C12-Pad1): C12.1 C12#2.1 C12#3.1 C12#4.1 C12#5.1 C12#6.1 C12#7.1 C12#8.1 C12#9.1 C12#10.1 C12#11.1 C12#12.1 C12#13.1 C12#14.1 C12#15.1 C12#16.1 C12#17.1 C12#18.1 C12#19.1 C12#20.1 C12#21.1 C12#22.1 C12#23.1 C12#24.1 C12#25.1 C12#26.1 C12#27.1 C12#28.1 C12#29.1 C12#30.1 C12#31.1 C12#32.1 D12.1 D12#2.1 D12#3.1 D12#4.1 D12#5.1 D12#6.1 D12#7.1 D12#8.1 D12#9.1 D12#10.1 D12#11.1 D12#12.1 D12#13.1 D12#14.1 D12#15.1 D12#16.1 D12#17.1 D12#18.1 D12#19.1 D12#20.1 D12#21.1 D12#22.1 D12#23.1 D12#24.1 D12#25.1 D12#26.1 D12#27.1 D12#28.1 D12#29.1 D12#30.1 D12#31.1 D12#32.1 R12.2 R12#2.2 R12#3.2 R12#4.2 R12#5.2 R12#6.2 R12#7.2 R12#8.2 R12#9.2 R12#10.2 R12#11.2 R12#12.2 R12#13.2 R12#14.2 R12#15.2 R12#16.2 R12#17.2 R12#18.2 R12#19.2 R12#20.2 R12#21.2 R12#22.2 R12#23.2 R12#24.2 R12#25.2 R12#26.2 R12#27.2 R12#28.2 R12#29.2 R12#30.2 R12#31.2 R12#32.2
Net-(C13-Pad1): C13.1 C13#2.1 C13#3.1 C13#4.1 C13#5.1 C13#6.1 C13#7.1 C13#8.1 C13#9.1 C13#10.1 C13#11.1 C13#12.1 C13#13.1 C13#14.1 C13#15.1 C13#16.1 C13#17.1 C13#18.1 C13#19.1 C13#20.1 C13#21.1 C13#22.1 C13#23.1 C13#24.1 C13#25.1 C13#26.1 C13#27.1 C13#28.1 C13#29.1 C13#30.1 C13#31.1 C13#32.1 D13.1 D13#2.1 D13#3.1 D13#4.1 D13#5.1 D13#6.1 D13#7.1 D13#8.1 D13#9.1 D13#10.1 D13#11.1 D13#12.1 D13#13.1 D13#14.1 D13#15.1 D13#16.1 D13#17.1 D13#18.1 D13#19.1 D13#20.1 D13#21.1 D13#22.1 D13#23.1 D13#24.1 D13#25.1 D13#26.1 D13#27.1 D13#28.1 D13#29.1 D13#30.1 D13#31.1 D13#32.1 R13.2 R13#2.2 R13#3.2 R13#4.2 R13#5.2 R13#6.2 R13#7.2 R13#8.2 R13#9.2 R13#10.2 R13#11.2 R13#12.2 R13#13.2 R13#14.2 R13#15.2 R13#16.2 R13#17.2 R13#18.2 R13#19.2 R13#20.2 R13#21.2 R13#22.2 R13#23.2 R13#24.2 R13#25.2 R13#26.2 R13#27.2 R13#28.2 R13#29.2 R13#30.2 R13#31.2 R13#32.2
Net-(C14-Pad1): C14.1 C14#2.1 C14#3.1 C14#4.1 C14#5.1 C14#6.1 C14#7.1 C14#8.1 C14#9.1 C14#10.1 C14#11.1 C14#12.1 C14#13.1 C14#14.1 C14#15.1 C14#16.1 C14#17.1 C14#18.1 C14#19.1 C14#20.1 C14#21.1 C14#22.1 C14#23.1 C14#24.1 C14#25.1 C14#26.1 C14#27.1 C14#28.1 C14#29.1 C14#30.1 C14#31.1 C14#32.1 D14.1 D14#2.1 D14#3.1 D14#4.1 D14#5.1 D14#6.1 D14#7.1 D14#8.1 D14#9.1 D14#10.1 D14#11.1 D14#12.1 D14#13.1 D14#14.1 D14#15.1 D14#16.1 D14#17.1 D14#18.1 D14#19.1 D14#20.1 D14#21.1 D14#22.1 D14#23.1 D14#24.1 D14#25.1 D14#26.1 D14#27.1 D14#28.1 D14#29.1 D14#30.1 D14#31.1 D14#32.1 R14.2 R14#2.2 R14#3.2 R14#4.2 R14#5.2 R14#6.2 R14#7.2 R14#8.2 R14#9.2 R14#10.2 R14#11.2 R14#12.2 R14#13.2 R14#14.2 R14#15.2 R14#16.2 R14#17.2 R14#18.2 R14#19.2 R14#20.2 R14#21.2 R14#22.2 R14#23.2 R14#24.2 R14#25.2 R14#26.2 R14#27.2 R14#28.2 R14#29.2 R14#30.2 R14#31.2 R14#32.2
Net-(C15-Pad1): C15.1 C15#2.1 C15#3.1 C15#4.1 C15#5.1 C15#6.1 C15#7.1 C15#8.1 C15#9.1 C15#10.1 C15#11.1 C15#12.1 C15#13.1 C15#14.1 C15#15.1 C15#16.1 C15#17.1 C15#18.1 C15#19.1 C15#20.1 C15#21.1 C15#22.1 C15#23.1 C15#24.1 C15#25.1 C15#26.1 C15#27.1 C15#28.1 C15#29.1 C15#30.1 C15#31.1 C15#32.1 D15.1 D15#2.1 D15#3.1 D15#4.1 D15#5.1 D15#6.1 D15#7.1 D15#8.1 D15#9.1 D15#10.1 D15#11.1 D15#12.1 D15#13.1 D15#14.1 D15#15.1 D15#16.1 D15#17.1 D15#18.1 D15#19.1 D15#20.1 D15#21.1 D15#22.1 D15#23.1 D15#24.1 D15#25.1 D15#26.1 D15#27.1 D15#28.1 D15#29.1 D15#30.1 D15#31.1 D15#32.1 R15.2 R15#2.2 R15#3.2 R15#4.2 R15#5.2 R15#6.2 R15#7.2 R15#8.2 R15#9.2 R15#10.2 R15#11.2 R15#12.2 R15#13.2 R15#14.2 R15#15.2 R15#16.2 R15#17.2 R15#18.2 R15#19.2 R15#20.2 R15#21.2 R15#22.2 R15#23.2 R15#24.2 R15#25.2 R15#26.2 R15#27.2 R15#28.2 R15#29.2 R15#30.2 R15#31.2 R15#32.2